# Altium PCB LimeSDR_Mini_1v3_Rounded_old.PcbDoc (part 5 of 6) (continued)
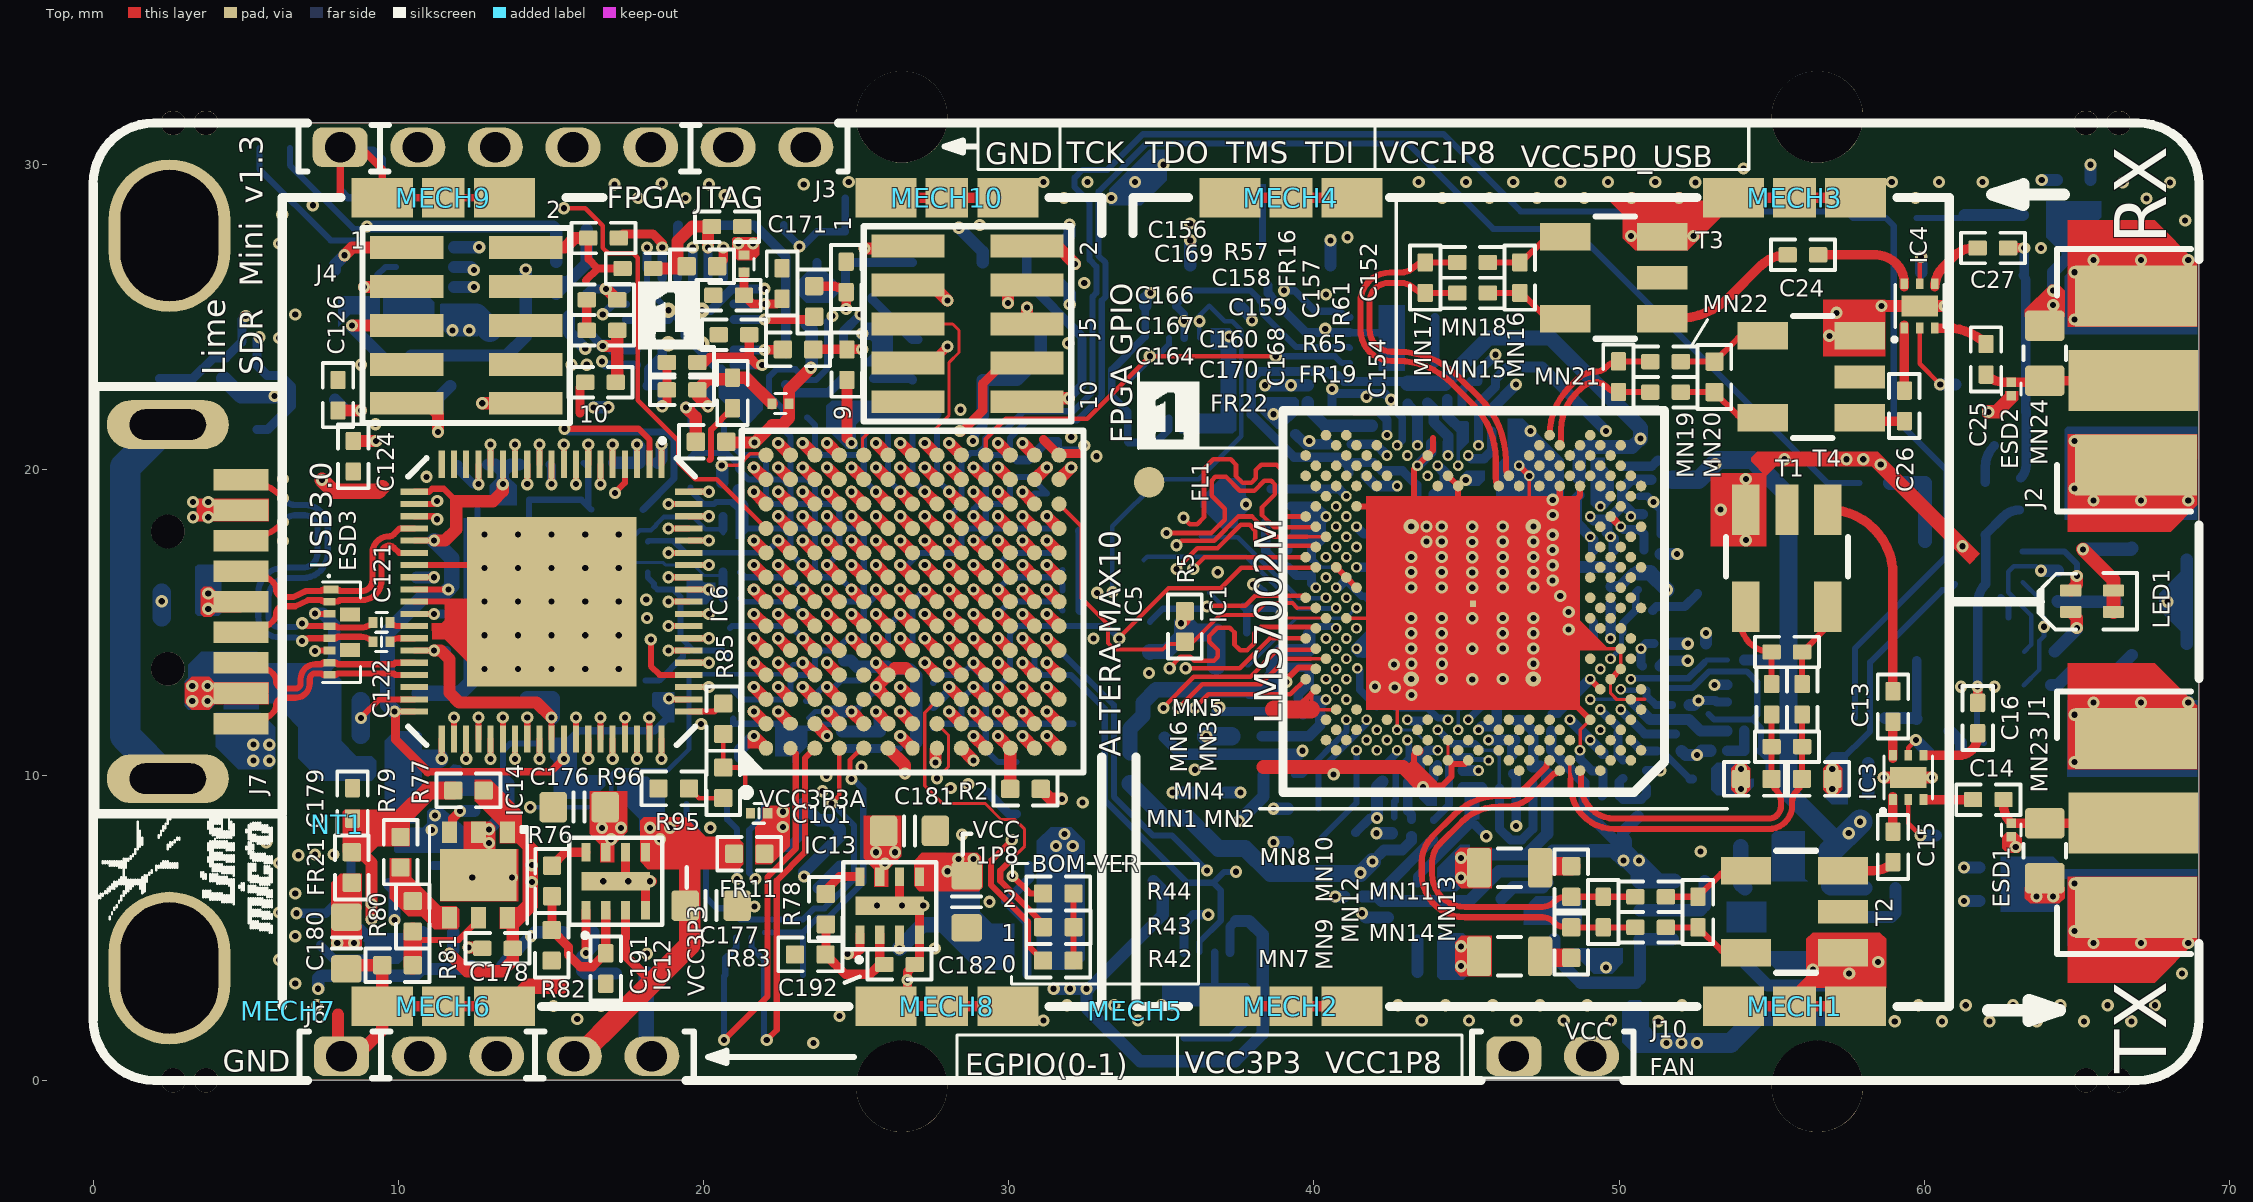
[diagram p0: Top view]
## Nets (pads, with @x,y where several pads share a name; then routed paths per layer and width w, separated by ;. In a path a pad name is that pad's centre, name@x,y a point inside that pad or via, vN(x,y) a via of type N, cw(c..) or ccw(c..) an arc to the next point about the centre after c; other vN are vias at no path point) (continued)
  Top w0.2: IC1.AN9@48.057,20.807 ccw(c47.953,20.911) 48.1,20.911 48.1,21.325 cw(c49.771,21.325) 48.589,22.507 48.778,22.695 cw(c49.224,22.249) 49.224,22.88 cw(c49.224,22.372) 49.583,22.731 49.616,22.699 ccw(c49.975,23.058) 49.975,22.55 MN19.2@51.025,22.55
RX2_W_B_N: MN20.1 MN22.1 T4.6 | length 2.8
  Top w0.2: MN22.1@52.025,23.55 MN20.1@53.075,23.55 ; MN20.1@53.125,23.55 53.883,24.308 cw(c54.515,23.677) T4.6@54.515,24.57
RX2_W_B_P: MN19.1 MN20.2 T4.4 | length 3.2
  Top w0.2: MN19.1@52.025,22.55 52.425,22.55 MN20.2@53.075,22.55 ; MN20.2@53.125,22.55 53.883,21.792 ccw(c54.515,22.423) T4.4@54.515,21.53 ; T4.4@54.12,21.53 T4.4@54.465,21.53
RXPLL_CLK: C154.2 IC1.AM24 R65.1 | length 20.7
  Top w0.309: R65.1@23.6,23.95 C154.2@24.717,23.95 ; C154.2@24.7,23.95 v1(25.2,23.95)
  L5 w0.1: v1(25.2,23.95) 25.799,23.95 cw(c25.799,22.499) 26.825,23.525 ccw(c27.429,24.129) 27.429,23.275 32.499,23.275 cw(c32.499,21.824) 33.525,22.85 ccw(c35.034,24.359) 35.034,22.225 36.348,22.225 cw(c36.348,19.685) 38.144,21.481 38.531,21.094 ccw(c40.327,22.89) 40.327,20.35 41.684,20.35 cw(c41.684,20.009) 41.925,20.25 ccw(c42.249,20.574) 42.232,20.116 ccw(c42.249,20.574) 42.249,20.116 ccw(c42.221,21.324) v3@43.075,20.469
  other v3: 43.062,20.474
TCXO_VC: C161.2 R67.1 R68.1 XO1.1 | length 33.8
  L5 w0.4: v1(8.975,27.975) 9.6,28.6 14.363,28.6 16.178,26.785 21.885,26.785 23.225,28.125 28.175,28.125 v1(28.365,27.935)
  Bottom w0.2: R67.1@6.45,30.55 6.45,29.991 8.541,27.9 8.9,27.9 v1(8.975,27.975)
  Bottom w0.4: v1(8.975,27.975) 15.075,27.975 C161.2@15.175,27.875 R68.1@15.175,26.825 ; v1(28.365,27.935) 29.15,27.15 XO1.1@29.15,26.8
TX: C14.2 ESD1.1 J1.1 MN23.1 | length 4.8
  Top w0.309: C14.2@62.6,9.2 62.6,9.029 ccw(c63.454,9.029) ESD1.1@62.85,8.425 MN23.1@63.95,8.425 66.815,8.425 ccw(c66.815,8.468) J1.1@66.845,8.437
TX1_1: C13.2 T1.3 | length 7.2
  Top w0.309: T1.3@56.845,18.7 cw(c56.845,16.57) 58.975,16.57 C13.2@58.975,12.75
TX1_1_A_N: IC1.A7 MN1.1 MN4.1 MN6.2 | length 11.1
  Top w0.2: IC1.A7@48.723,10.101 48.757,10.067 48.757,9.675 ccw(c49.857,9.675) 49.857,8.575 54.9,8.575 ccw(c54.9,8.979) 55.304,8.979 55.304,9.146 ccw(c54.796,9.146) 55.155,9.505 ; IC1.A7@48.723,10.151 IC1.A7@48.758,10.116 ; MN1.1@55,9.695 55,9.877 MN4.1@55,10.935 MN6.2@55,11.985 ; MN1.1@55.001,9.87 ccw(c55.509,9.87) 55.149,9.51
TX1_1_A_P: IC1.B8 MN2.1 MN3.1 MN4.2 | length 12.3
  Top w0.11: 48.39,9.916 48.39,10.128 IC1.B8@48.39,10.484
  Top w0.2: 48.414,9.881 48.414,9.675 ccw(c49.854,9.675) 49.854,8.235 54.9,8.235 ccw(c54.9,9.006) 55.671,9.006 55.671,9.119 cw(c56.179,9.119) 55.819,9.478 55.852,9.51 ccw(c55.493,9.87) MN2.1@56.001,9.87 ; MN2.1@56,9.885 56,10.285 MN4.2@56,10.935 MN3.1@56,11.985
TX1_1_B_N: MN5.2 MN6.1 T1.6 | length 2.7
  Top w0.2: T1.6@53.98,15.055 ccw(c55,15.055) MN5.2@55,14.035 MN6.1@55,12.985
TX1_1_B_P: MN3.2 MN5.1 T1.4 | length 2.8
  Top w0.2: MN3.2@56,12.985 MN5.1@56,14.035 56.776,14.811 ccw(c56.187,15.4) T1.4@57.02,15.4
TX1_2: C15.2 T2.1 | length 1.9
  Top w0.309: T2.1@57.19,6.87 T2.1@57.34,6.87 58.35,6.87 ccw(c58.35,7.703) 58.939,7.114 C15.2@58.975,7.15
TX2_1_A_N: IC1.B10 MN9.1 MN12.2 MN14.1 | length 14
  Top w0.2: IC1.B10@47.724,10.484 47.689,10.449 ccw(c47.848,10.291) 47.624,10.291 46.891,9.559 cw(c46.303,10.147) 46.303,9.315 46.075,9.315 ccw(c46.075,7.225) 44.597,8.703 43.885,7.99 ccw(c44.729,7.146) 43.535,7.146 43.535,6.76 ccw(c44.95,6.76) 44.95,5.345 47.495,5.345 cw(c47.495,4.837) 47.854,5.196 47.886,5.164 ccw(c48.246,5.523) 48.246,5.015 MN9.1@48.435,5.015 MN12.2@49.485,5.015 MN14.1@50.535,5.015
TX2_1_A_P: IC1.A9 MN10.1 MN11.2 MN12.1 | length 13.2
  Top w0.2: IC1.A9@48.057,10.151 48.022,10.116 cw(c47.864,10.274) 47.864,10.051 47.128,9.315 cw(c46.308,10.136) 46.308,8.975 46.075,8.975 ccw(c46.075,7.225) 44.837,8.462 44.125,7.75 ccw(c44.729,7.146) 43.875,7.146 43.875,6.76 ccw(c44.95,6.76) 44.95,5.685 47.495,5.685 ccw(c47.495,6.193) 47.854,5.834 47.886,5.866 cw(c48.246,5.507) 48.246,6.015 MN10.1@48.435,6.015 48.835,6.015 MN12.1@49.485,6.015 MN11.2@50.535,6.015
TX2_1_B_N: MN13.1 MN14.2 T2.4 | length 3.2
  Top w0.2: MN14.2@51.535,5.015 51.935,5.015 MN13.1@52.585,5.015 53.344,4.257 ccw(c53.975,4.888) T2.4@53.975,3.995 ; T2.4@53.605,3.995 T2.4@53.95,3.995
TX2_1_B_P: MN11.1 MN13.2 T2.6 | length 2.8
  Top w0.2: MN11.1@51.535,6.015 MN13.2@52.585,6.015 53.344,6.773 cw(c53.975,6.142) T2.6@53.975,7.035
TX_LB_AT: C19.1 IC5.K10 R17.2 | length 44.4
  Top w0.4: v2(28.85,18.485) IC5.K10@29.25,18.085
  Bottom w0.2: v2(28.85,18.485) 28.85,18.719 29.25,19.119 29.25,19.451 29.25,20.251 29.484,20.485 29.816,20.485 30.05,20.719 30.05,21.051 30.624,21.625 32.24,21.625 33.05,22.435 33.05,25.551 33.175,25.676 33.175,26.784 32.95,27.009 32.95,29.125 34.525,30.7 43.075,30.7 45.875,27.9 48.5,27.9 C19.1@56.825,19.575 R17.2@57.875,19.575
TX_LB_SH: C20.1 C23.1 IC5.J10 R22.1 R25.2 | length 62
  Top w0.4: v2(28.05,18.485) IC5.J10@28.45,18.085
  Bottom w0.2: v2(28.05,18.485) 28.45,18.885 28.45,20.251 28.749,20.55 28.991,20.55 29.225,20.784 29.225,21.026 29.525,21.326 29.901,21.326 30.5,21.925 32.116,21.925 32.75,22.559 32.75,25.675 32.875,25.8 32.875,26.66 32.65,26.885 32.65,28.775 32.159,29.266 32.159,29.575 32.419,29.835 33.236,29.835 34.401,31 44.25,31 46.775,28.475 57.45,28.475 C20.1@57.675,28.25 R22.1@58.75,28.25 59,28 59,21.725 60.725,20 60.725,17.15 57.725,14.15 R25.2@57.725,11.875
TXPLL_CLK: C152.2 IC1.E5 R61.1 | length 35.2
  Top w0.309: R61.1@23.625,26.025 24.192,26.025 cw(c24.192,25.342) C152.2@24.675,25.825 v1(24.675,25.275)
  L5 w0.1: v1(24.675,25.275) 24.675,23.975 ccw(c25.2,23.975) 25.2,23.45 25.789,23.45 cw(c25.789,22.615) 26.379,23.206 ccw(c27.238,24.064) 26.501,23.099 ccw(c27.238,24.064) 27.238,22.85 32.451,22.85 cw(c32.451,21.826) 33.175,22.55 33.231,22.494 ccw(c35.027,24.29) 35.027,21.75 36.148,21.75 cw(c36.148,19.21) 37.944,21.006 38.406,20.544 ccw(c39.961,22.099) 39.961,19.9 41,19.9 cw(c41,18.55) 42.35,18.55 42.35,16.6 ccw(c43.3,16.6) 43.3,15.65 47.325,15.65 cw(c47.325,15) 47.975,15 47.975,13.725 ccw(c49.974,13.725) 48.56,12.312 v3(49.389,11.483)
USB_D_N: ESD3.2 IC6.25 J7.2 | length 7.6
  Top w0.2: J7.2@4.85,14.685 5.022,14.685 ccw(c5.022,15.923) 5.897,15.047 ccw(c5.65,15.295) 6,15.295 cw(c6.24,15.295) 6.24,15.535 6.625,15.535 7.05,15.735 7.48,15.735 7.53,15.685 ESD3.2@7.742,15.685 ; ESD3.2@7.818,15.685 8.03,15.685 8.08,15.735 8.805,15.735 ccw(c8.805,16.38) 9.45,16.38 9.45,17.275 cw(c9.695,17.275) 9.695,17.52 ; 9.7,17.52 cw(c9.7,17.303) 9.853,17.457 10.025,17.285 IC6.25@10.525,17.285
USB_D_P: ESD3.1 IC6.23 J7.3 | length 8.2
  Top w0.2: J7.3@4.65,16.65 4.685,16.685 J7.3@4.85,16.685 J7.3@5.022,16.685 ; J7.3@5.39,16.685 J7.3@5.022,16.685 ; ESD3.1@7.742,16.085 7.53,16.085 7.48,16.035 6.975,16.035 6.55,15.835 6.24,15.835 cw(c6.24,16.075) 6,16.075 ccw(c5.65,16.075) 5.897,16.323 ccw(c5.022,15.447) J7.3@5.022,16.685 ; ESD3.1@7.818,16.085 8.03,16.085 8.08,16.035 8.805,16.035 ccw(c8.805,16.38) 9.15,16.38 9.15,17.275 cw(c9.7,17.275) 9.7,17.825 ccw(c9.7,18.042) 9.853,17.888 10.05,18.085 IC6.23@10.525,18.085
USB_GND: C125.2 ESD3.6 FR13.1 NT1.1 | length 1.3
  Top w0.2: v1(7.275,14.07) cw(c7.311,14.034) 7.311,14.085 ESD3.6@7.742,14.085
  Bottom w0.6: FR13.1@2.252,15.17 C125.2@2.252,15.975
  other v1: 2.25,15.7
USB_SSRX_N: ESD3.7 IC6.34 J7.8 | length 7.2
  Top w0.2: J7.8@5.39,13.685 J7.8@4.85,13.685 5.022,13.685 cw(c5.022,12.447) 5.897,13.323 cw(c5.65,13.075) 6,13.075 ccw(c6.24,13.075) 6.24,12.835 6.625,12.835 ccw(c6.625,13.01) 6.8,13.01 6.8,13.15 cw(c7.285,13.15) 7.285,13.635 7.48,13.635 7.53,13.685 ESD3.7@7.742,13.685 7.955,13.685 8.005,13.635 9.85,13.635 9.9,13.685 IC6.34@10.525,13.685
USB_SSRX_P: ESD3.8 IC6.35 J7.9 | length 6.7
  Top w0.2: J7.9@4.2,11.685 J7.9@4.372,11.685 ; J7.9@5.022,11.685 ccw(c5.022,12.923) 5.897,12.047 ccw(c5.65,12.295) 6,12.295 cw(c6.24,12.295) 6.24,12.535 6.625,12.535 ccw(c6.625,13.01) 7.1,13.01 7.1,13.15 cw(c7.285,13.15) 7.285,13.335 7.48,13.335 7.53,13.285 ESD3.8@7.742,13.285 7.955,13.285 8.005,13.335 9.85,13.335 9.9,13.285 IC6.35@10.525,13.285
USB_SSTX_N: C121.1 ESD3.4 J7.5 | length 11.5
  Top w0.2: J7.5@4.85,19.685 cw(c4.85,17.838) 6.156,19.144 v1(6.225,19.075) ; v1(6.85,14.975) ccw(c7.067,15.192) 7.067,14.885 ESD3.4@7.742,14.885 7.955,14.885 8.005,14.835 8.772,14.835 ccw(c8.772,15.398) C121.1@9.17,15 C121.1@9.153,15
  Bottom w0.2: v1(6.225,19.075) 6.335,18.965 ccw(c6.6,19.229) 6.6,18.855 6.935,18.855 cw(c6.935,18.1) 7.69,18.1 7.69,17.275 cw(c6.875,17.275) 6.875,16.46 6.385,16.46 ccw(c6.385,15.825) 5.75,15.825 5.75,15.205 ccw(c6.1,15.205) 6.1,14.855 6.56,14.855 ccw(c6.56,15.265) v1(6.85,14.975)
USB_SSTX_P: C122.1 ESD3.5 J7.6 | length 11.5
  Top w0.2: J7.6@4.85,17.685 ccw(c4.85,19.532) 6.156,18.226 v1(6.225,18.295) ; v1(6.85,14.395) cw(c7.067,14.178) 7.067,14.485 ESD3.5@7.742,14.485 7.955,14.485 8.005,14.535 8.772,14.535 cw(c8.772,13.972) C122.1@9.17,14.37 C122.1@9.153,14.37
  Bottom w0.2: v1(6.225,18.295) 6.335,18.405 cw(c6.6,18.141) 6.6,18.515 6.935,18.515 cw(c6.935,18.1) 7.35,18.1 7.35,17.275 cw(c6.875,17.275) 6.875,16.8 6.244,16.8 ccw(c6.244,15.966) 5.41,15.966 5.41,15.205 ccw(c6.1,15.205) 6.1,14.515 6.56,14.515 cw(c6.56,14.105) v1(6.85,14.395)
USB_SSTXI_N: C121.2 IC6.31 | length 0.8
  Top w0.2: C121.2@9.73,15 ccw(c10.008,15.278) 10.008,14.885 IC6.31@10.525,14.885
USB_SSTXI_P: C122.2 IC6.32 | length 0.8
  Top w0.2: C122.2@9.73,14.37 cw(c10.008,14.092) 10.008,14.485 IC6.32@10.525,14.485
USB_VBUS: C123.1 ESD3.3 FR12.1 J7.1 R50.2 | length 3.3
  Top w0.2: v1(7.275,15.3) ccw(c7.311,15.336) 7.311,15.285 ESD3.3@7.742,15.285
  Bottom w0.4: 7.238,13.137 7.9,13.8 7.9,14.925 7.525,15.3 v1(7.275,15.3)
  other v1: 3.25,12.425 3.75,12.425 3.25,12.925 3.75,12.925
VCC1P4_LMS: C188.2 FR30.2 FR31.2 FR32.2 FR33.2 IC16.4 R88.2 R93.1 | length 59.3
  L4 w0.4: v1(49.575,21.275) 49.575,21.725 50.125,22.275 51.475,22.275 53.15,20.6 v1(53.15,20.2)
  L4 w0.8: 41.825,6.875 42.975,5.725 55.15,5.725 v1(57.9,8.475)
  Bottom w0.35: v1(41.925,7.175) 42.3,7.55 42.9,7.55 43.2,7.85 FR33.2@43.2,7.995 ; FR31.2@46.905,23.375 47.475,23.375 v1(49.575,21.275) ; FR30.2@54.105,13.775 55.5,13.775
  Bottom w0.5: IC16.4@56.925,6.3 56.931,6.305 R88.2@58.061,6.305
  Bottom w0.55: R93.1@33.975,9.725 35.1,8.6 35.875,8.6 36.875,7.6 37.75,7.6 38.575,6.775 41.525,6.775 v1(41.925,7.175)
  Bottom w0.6: FR32.2@51.75,19.675 52.6,19.675 53.25,20.325 54.379,20.325 55.55,19.154 55.55,9.417 C188.2@57.186,7.781 ; IC16.4@56.925,6.375 C188.2@56.925,7.5
  Bottom w0.8: C188.2@56.925,7.5 v1(57.9,8.475)
  other v1: 41.525,6.8 57.525,8.1
VCC1P8: C108.2 C109.1 C110.1 C111.1 C174.1 C182.2 FR16.1 FR20.1 IC5.F2 IC5.G3 IC11.8 IC11A.8 IC13.3 IC13.5 J3.6 J4.4 J6.5 R34.2 R36.2 R37.1 R58.2 R84.2 | length 119.4
  Top w0.3: v1(26.425,4.325) IC13.3@26.425,4.775
  Top w0.4: v1(25.65,12.085) IC5.F2@26.05,11.685 ; v1(26.45,12.885) IC5.G3@26.85,12.485
  L4 w0.4: J6.5@18.311,0.675 24.2,0.675 25.925,2.4 25.925,3.825 v1(26.425,4.325)
  L5 w0.25: v1@25.84,12.085 26.45,12.695 v1(26.45,12.885)
  L5 w0.4: v1(21.15,27.425) v1(21.625,27.425) 23.05,28.85 29.275,28.85 30.675,27.45 32.875,27.45 33.725,26.6 36.275,26.6 v1(37.975,24.9) ; v1@25.775,11.96 v1(25.65,12.085) v1@25.84,12.085
  L5 w0.5: v1(14.175,26.565) 13.06,25.45 11.3,25.45 9.85,24 8.116,24 7.425,23.309 7.425,22.725 5.95,21.25 5.95,20.271 5.275,19.596 5.275,13.841 10.5,8.616 10.5,7.98 11.28,7.2 13.45,7.2 15.15,8.9 20.925,8.9 v1@23.11,6.715
  L5 w0.6: v1@25.675,12.05 25.775,11.95 25.775,8.938 25.881,8.831 25.988,8.725
  L5 w1: 23.213,6.937 24.9,8.625 25.781,8.625
  L5 w1.2: 25.575,8.725 25.988,8.725 26.4,8.725 28.025,7.1 28.6,7.1
  L6 w0.5: v1(14.175,26.565) 14.665,26.565 16.46,28.36 20.94,28.36 ; J3.6@20.811,30.575 21.25,30.136 21.25,28.67 20.94,28.36 ; 21.4,27.5 21.3,27.6 21.3,28 21,28.3 20.94,28.36
  Bottom w0.17: 22.995,11.43 23.1,11.535 23.702,11.535 23.837,11.67 24.285,11.67 C110.1@24.525,11.43
  Bottom w0.2: R37.1@20.975,11.85 R37.1@20.975,11.775 20.975,11.685 22.74,11.685 22.995,11.43 C108.2@22.995,10.45
  Bottom w0.3: IC11.8@22.075,7.625 22.775,7.625 23.15,8 23.15,8.945 IC11A.8@23.255,9.05
  Bottom w0.4: R34.2@10.425,23.75 13.55,23.75 14.175,24.375 v1(14.175,26.565) ; IC11A.8@23.255,9.05 23.78,8.525 24.175,8.525 24.475,8.225 C174.1@24.475,8 23.3,6.825 v1(23.3,6.675) ; C110.1@24.544,11.43 C109.1@25.2,11.43 25.775,11.43 25.775,11.96 v1(25.65,12.085) ; R58.2@37.575,25.375 v1@37.9,25.05
  Bottom w0.5: R84.2@18.125,3.5 18.125,0.981 J6.5@18.311,0.795 ; v1(26.425,4.325) 27.2,5.1 28.125,5.1
  other v1: 28,6.85 28.35,7.25 28.85,7.25
VCC1P8_LMS: C3.1 C4.2 C5.1 C6.2 C7.1 C8.1 C9.2 C10.2 C175.2 FR1.2 FR2.1 FR3.1 FR4.2 FR5.2 FR6.2 FR7.2 FR8.2 FR20.2 FR34.1 FR35.1 MN1.2 MN2.2 MN7.2 MN8.2 R19.2 R26.2 R32.2 R33.1 | length 26.4
  Bottom w0.2: C6.2@57.165,10.4 57.185,10.4 58.225,11.44 58.225,13.7 60.588,16.063 60.812,16.063 R19.2@61.012,16.262
  Bottom w0.35: FR4.2@45.826,21.876 45.826,22.001 v1(46.625,22.8) ; FR6.2@46.58,11.8 46.825,11.8 47.185,11.44 FR7.2@47.185,11.175 FR8.2@47.185,10.28
  Bottom w0.4: v1(38.4,22.776) v1(39.251,22.776) R33.1@39.801,22.776 ; v1(42.056,8.096) R26.2@42.556,8.096 ; C9.2@45.142,7.4 46.973,7.4 47.65,8.077 47.65,10.05 47.42,10.28 47.185,10.28 FR8.2@47.175,10.28 ; FR3.1@51.355,17.25 FR3.1@51.38,17.25 v1(51.905,17.25) ; FR2.1@51.729,14.309 v1(52.254,14.309) ; FR1.2@52.05,10.795 52.188,10.657 v1(52.555,10.657) 52.698,10.8 R32.2@52.995,10.8 ; C4.2@53.325,9.875 53.875,9.875
  Bottom w0.65: v1@51.575,1.225 v1(52.05,1.225) v1(52.55,1.225) 53.65,1.225 54.53,2.105 FR35.1@56.936,2.105
  other v1: 51.55,1.225 44.817,3.742 44.817,4.392 44.817,6.642 44.817,7.292 31.55,7.675 32.1,7.675 31.825,8.075 54,9.55 56.985,9.55 54,10.2 56.985,10.2
VCC1P25_LMS: C185.2 FR23.2 FR24.2 FR25.2 FR26.2 FR27.2 FR28.2 FR29.2 FR36.2 FR37.2 FR38.2 FR39.2 FR40.2 FR41.2 FR42.2 FR43.2 FR44.2 FR45.2 IC15.4 R86.2 R90.1 | length 94.9
  L4 w0.4: 51.575,12.075 52.225,12.075 v1(52.6,12.45)
  L4 w0.65: v1(50.7,21.025) 51.75,19.975 51.75,18.4 51.025,17.675 51.025,16.625 v1(51.575,16.075) 51.575,12.075
  L4 w0.7: 50.425,7.3 50.425,10.925 51.575,12.075
  L6 w0.2: 42.01,12.215 43.585,12.215
  L6 w0.22: v5(41.425,13.5) 41.59,13.335 41.59,12.635 42.01,12.215
  L6 w0.4: 43.585,12.215 43.895,12.525 45.7,12.525 47.35,10.875 47.35,9.325
  L6 w0.6: v1(39.625,10.8) 39.625,10.204 40.579,9.25 42.8,9.25 43.05,9 45.525,9 45.85,9.325 47.35,9.325
  L6 w0.9: 47.35,9.325 49.4,7.275 50.45,7.275
  Bottom w0.2: FR40.2@42.954,22.851 FR40.2@43.075,22.73
  Bottom w0.25: v5(41.425,13.5) 41.5,13.425 41.5,12.799 FR42.2@42.059,12.239
  Bottom w0.3: FR41.2@41.145,19.9 41.145,20.105 ; FR40.2@42.954,22.851 42.904,22.901 40.985,22.901 40.786,23.1 40.575,23.1 40.449,23.226 38.214,23.226 37.95,22.963 37.95,21.821 39.355,20.416 40.834,20.416 41.145,20.105 ; FR23.2@43.37,19.2 43.37,19.505 42.9,19.975 42.225,19.975 41.95,20.25 41.29,20.25 41.145,20.105 ; v1(52.6,12.45) 53.15,12.45 53.2,12.4 FR45.2@53.55,12.4
  Bottom w0.35: 42.15,6.15 FR29.2@43.9,7.9 ; FR24.2@47.775,11.445 47.775,10.825 48.85,9.75 48.85,8.875 49.9,7.825 C185.2@50.125,7.825 ; FR37.2@49.725,16.18 50.021,16.18 50.471,16.63 FR43.2@50.625,16.63
  Bottom w0.38: R90.1@35.107,11.243 35.662,10.688 39.513,10.688 v1(39.625,10.8)
  Bottom w0.4: FR44.2@41.605,6.025 42.075,6.025 42.225,5.875 45.095,5.875 46.07,6.85 47.15,6.85 47.825,7.525 49.1,7.525 ; C185.2@50.125,7.825 50.125,8.145 FR27.2@50.625,8.645 ; FR36.2@52.305,12.3 52.45,12.3 v1(52.6,12.45)
  Bottom w0.45: FR25.2@48.7,19.73 48.7,20.55 48.9,20.75 50.425,20.75 v1(50.7,21.025) ; 49.1,7.525 50.125,7.525
  Bottom w0.5: FR40.2@43.075,22.845 44.295,22.845 44.875,23.425 44.875,23.478 45.722,24.325 47.75,24.325 50.7,21.375 v1(50.7,21.025) ; FR43.2@50.625,16.63 51.02,16.63 v1(51.575,16.075) ; IC15.4@50.675,6.525 50.681,6.53 R86.2@51.811,6.53
  Bottom w0.6: C185.2@50.125,7.825 50.125,7.525 50.675,6.975 IC15.4@50.675,6.6
  other v1: 50.15,7.2 50.65,7.2
VCC3P3: C102.2 C103.1 C104.1 C105.1 C106.1 C107.1 C112.2 C113.1 C114.1 C115.1 C116.1 C117.1 C118.1 C119.1 C120.1 C150.1 C162.1 C177.2 C178.2 FR11.1 FR22.1 IC5.C6 IC5.C7 IC5.C8 IC5.F7 IC5.F11 IC5.G6 IC5.G8 IC5.G11 IC5.H7 IC5.H11 IC5.J11 IC8.8 IC10.8 IC12.3 IC12.5 IC14.1 IC14.6 J6.4 LED1.1 LED1.2 LED2.A R14.1 R20.1 R35.1 R40.1 R45.1 R46.1 R47.1 R48.1 R49.1 R64.1 R66.1 R71.1 R77.1 R97.1 | length 148.5
  Top w0.3: IC12.3@17.45,5.575 17.45,4.075 18.32,3.205
  Top w0.4: v1(11.675,4.15) 12.25,3.575 13.4,3.575 13.75,3.925 C178.2@13.75,4.325 13.75,5.475 13.975,5.475 14.375,5.875 v1(14.375,6.5) v1(14.375,7.05) 14.375,7.584 ; v1(19.425,22.05) 19.75,21.725 FR22.1@19.75,20.925 ; v1(23.25,15.285) IC5.C6@23.65,14.885 ; v1(23.25,16.085) IC5.C7@23.65,15.685 ; v1(23.25,16.885) IC5.C8@23.65,16.485 ; v1(25.65,16.085) IC5.F7@26.05,15.685 ; v1(25.65,19.285) IC5.F11@26.05,18.885 ; v1(26.45,15.285) IC5.G6@26.85,14.885 ; v1(26.45,16.885) IC5.G8@26.85,16.485 ; v1(26.45,19.285) IC5.G11@26.85,18.885 ; v1(27.25,16.085) IC5.H7@27.65,15.685 ; v1(27.25,19.285) IC5.H11@27.65,18.885 ; v1(28.05,19.285) IC5.J11@28.45,18.885
  Top w0.45: v1(65.2,17.4) 66.2,16.4 LED1.1@66.2,15.35
  Top w0.5: v1(7.5,19.675) 7.875,19.3 9.35,19.3 9.475,19.425
  Top w0.7: J6.4@15.768,0.795 15.919,0.795 17.29,2.166 17.29,2.175 18.32,3.205 19.55,4.435 19.55,7.45
  L4 w0.45: v1(34.65,25.8) 34.725,25.875 v1(39.025,25.875) 39.025,27.15 40.15,28.275 52.9,28.275 53.35,27.825 61.4,27.825 61.975,27.25 ; v1(61.3,6.975) 61.3,10.25 65.525,14.475 65.525,17.075 v1(65.2,17.4) 65.2,17.425 61.475,21.15 61.475,25.525 61.975,26.025 61.975,27.25 ; v1(63.85,29.5) 63.85,29.125 61.975,27.25
  L4 w0.5: v1(5.95,22.425) 7.5,20.875 v1(7.5,19.675)
  Bottom w0.19: R45.1@18.175,16.475 18.38,16.27 18.38,16.191 18.491,16.08 19.014,16.08 19.245,15.849 19.245,14.51 R48.1@19.525,14.23 ; R45.1@18.175,16.525 R45.1@18.175,16.65 ; C116.1@21.205,15.8 21.325,15.68 22.855,15.68 v1(23.25,15.285)
  Bottom w0.2: 18.1,13.1 18.545,13.1 19.325,13.88 19.325,14.03 R48.1@19.525,14.23 19.67,14.085 20.615,14.085 R49.1@20.875,13.825 R49.1@20.875,13.819 ; R47.1@19.575,19.425 19.575,19.319 20.009,18.885 20.347,18.885 20.412,18.95 20.878,18.95 20.88,18.948 21.15,18.948 ; C120.1@21.205,16.65 21.37,16.485 22.85,16.485 v1(23.25,16.085) ; 21.28,18.15 21.345,18.085 22.616,18.085 22.85,17.851 22.85,17.285 v1(23.25,16.885) ; C102.2@23.4,21.725 23.65,21.475 23.65,20.719 23.884,20.485 25.231,20.485 25.25,20.466 ; C113.1@25.25,14.08 25.25,15.475 25.65,15.875 v1(25.65,16.085) ; C117.1@25.27,21.266 25.25,21.246 25.25,20.466 ; v1(25.65,19.285) 25.25,19.685 25.25,20.466 ; C115.1@26.025,14.08 26.05,14.105 26.05,14.885 v1(26.45,15.285) ; C118.1@26.04,21.266 26.05,21.256 26.05,19.685 v1(26.45,19.285) ; v1(26.45,16.885) 26.684,16.885 27.084,17.285 28.216,17.285 28.45,17.519 28.45,17.851 28.684,18.085 29.016,18.085 29.25,18.319 29.25,18.651 29.484,18.885 29.816,18.885 30.05,19.119 30.05,19.545 C103.1@30.275,19.77 30.715,19.77 C112.2@31.25,19.235 30.85,19.235 C112.2@30.85,18.885 ; C119.1@26.75,14.055 26.85,14.155 26.85,15.685 v1(27.25,16.085) ; C114.1@26.86,21.266 26.85,21.256 26.85,19.685 v1(27.25,19.285) ; C107.1@27.65,21.27 27.65,19.685 v1(28.05,19.285)
  Bottom w0.25: R66.1@34.475,25.375 34.475,24.375 33.375,23.275 33.375,22.425 R64.1@33.9,21.9 33.9,20.925 C150.1@33.925,20.9 34.825,20.9 35.25,21.325 IC8.8@35.25,21.525 IC8.8@35.25,21.7 ; v1(39.025,25.875) 39.375,25.875 C162.1@40.05,25.2 40.829,25.2 40.975,25.054 40.975,25.025 41,25 IC10.8@41.175,25
  Bottom w0.4: v1(11.675,4.15) 11.8,4.275 R71.1@11.8,4.85 ; v1(19.425,22.05) 19.675,21.8 R46.1@19.675,21.475 ; C106.1@21.15,19.335 21.15,18.948 21.28,18.818 21.28,18.15 ; R40.1@31.6,26.175 32,25.775 v1(32,25.425) ; R66.1@34.475,25.375 34.475,25.625 v1(34.65,25.8) ; v1(61.3,6.975) R14.1@61.8,6.975 ; v1(63.85,29.5) R20.1@64.35,29.5
  Bottom w0.45: v1(65.2,17.4) 66.765,17.4 LED2.A@66.8,17.435
  Bottom w0.5: R35.1@4.275,23 4.85,22.425 v1(5.95,22.425)
  other v1: 18.575,7.9 18.25,8.275 18.9,8.275 10.925,19.775
VCC3P3_CLK: C184.2 FR17.1 FR19.1 FR22.2 R60.2 | length 21.5
  Top w0.4: FR22.2@20.75,20.925 20.77,20.905 v1(21.67,20.905) 21.692,20.905 22.255,21.468 22.574,21.468 22.805,21.699 FR19.1@22.805,22.175 22.805,22.63 v1(23.525,23.35)
  L4 w0.5: v1(16.4,22.05) 17.575,22.05 18.41,22.885 23.06,22.885 v1(23.525,23.35)
  L5 w0.6: v1(11.775,24.575) v1(12.325,24.575) 13.225,24.575 15.75,22.05 v1(16.4,22.05) v1@16.775,22.05
  Bottom w0.4: v1@16.4,22.055 v1(16.88,22.055) ; R60.2@23.375,24.775 23.55,24.6 23.55,23.375 v1(23.525,23.35)
  Bottom w0.8: 11.775,25.05 12.55,25.05 C184.2@13,24.6
VCC3P3_FT: C128.2 C129.2 C130.1 C131.2 C132.1 C133.2 C134.1 C135.2 C136.1 IC6.14 IC6.20 IC6.24 IC6.28 IC6.38 IC6.49 IC6.59 IC6.68 R53.2 R54.2 R55.2 R97.2 | length 31.3
  Top w0.2: v1(9.875,12.085) IC6.38@10.525,12.085 ; IC6.28@10.525,16.085 v1(11.64,16.085) ; IC6.24@10.525,17.685 v1(11.175,17.685) ; IC6.20@10.525,19.285 11.009,19.285 11.109,19.385 11.49,19.385 11.9,18.975 ; v1(13.425,19.535) IC6.14@13.425,20.185 ; v1(15.425,10.535) IC6.49@15.425,11.185 ; v1@18.875,12.485 IC6.59@19.525,12.485 ; IC6.68@19.525,16.085 v1(20.175,16.085)
  Top w0.25: v1(9.875,12.085) v1@9.904,12.056 ; 10.965,10.11 15,10.11 v1(15.425,10.535)
  Top w0.3: v1@9.904,12.056 9.904,11.171 10.965,10.11
  Top w0.4: v1(11.175,17.685) 11.535,17.685 11.9,18.05 11.9,18.975 13.1,18.975 13.425,19.3 v1(13.425,19.535)
  Bottom w0.25: 15.45,11 15.91,11.46 16.675,11.46 18.401,11.46 18.875,11.934 v1(18.875,12.51)
  Bottom w0.4: R54.2@12.95,20.175 13.175,20.175 13.425,19.925 ; v1(13.425,19.535) 13.425,19.925 ; R53.2@13.975,20.175 13.675,20.175 13.425,19.925
  Bottom w0.5: v1(9.875,12.085) 9.65,12.31 9.65,14.675 10.81,15.835 11.39,15.835 v1(11.64,16.085) 11.75,16.195 11.75,17.11 v1(11.175,17.685)
  Bottom w0.6: C128.2@15.425,9.725 v1(15.425,10.535)
VCC3P3A: C95.2 C96.1 C97.1 C98.1 C99.1 C100.1 C101.1 FR11.2 IC5.D3 IC5.D4 IC5.D10 IC5.K4 IC5.K9 | length 36.4
  Top w0.4: v1(24.05,12.885) IC5.D3@24.45,12.485 ; v1(24.05,13.685) IC5.D4@24.45,13.285 ; v1(24.05,18.485) IC5.D10@24.45,18.085 ; v1(28.85,13.685) IC5.K4@29.25,13.285 ; v1(28.85,17.685) IC5.K9@29.25,17.285
  L2 w0.2: v1@23.938,12.763 24.962,12.763 25.484,13.285 28.45,13.285 v1(28.85,13.685) 29.25,14.085 29.25,17.285 v1(28.85,17.685) ; v1(24.05,13.685) 24.45,14.085 24.45,18.085 v1(24.05,18.485)
  L2 w0.4: v1@23.938,12.763 v1@24.05,12.875 ; v1(24.05,12.885) v1(24.05,13.685)
  L2 w0.45: 23.375,12.21 v1(24.05,12.885)
  L2 w0.6: v1(22.6,8.3) v1(22.6,8.8) 22.6,10.725 23.375,11.5 23.375,12.21
  Bottom w0.2: C99.1@23.361,12.43 C99.1@23.45,12.43 23.905,12.885 v1(24.05,12.885) 24.29,12.885 C98.1@24.525,13.12 ; v1(24.05,13.685) 24.525,13.21 C98.1@24.525,13.12 ; C98.1@24.6,13.195 C98.1@24.525,13.12 ; C97.1@25.15,13.105 24.525,13.105 C98.1@24.525,13.12 ; C96.1@27.53,13.025 27.79,13.285 28.45,13.285 v1(28.85,13.685) 28.85,13.495 29.25,13.095 29.25,11.919 29.484,11.685 32.115,11.685 C95.2@32.125,11.675 ; v1(28.85,17.685) 29.085,17.685 29.25,17.85 ; 29.25,17.851 29.484,18.085 31.77,18.085 C100.1@31.77,18
VCC5P0_USB: C176.2 C181.2 FR12.2 IC12.7 IC13.1 IC13.7 J3.7 R15.1 R21.1 R41.1 R69.1 R94.1 | length 146.1
  Top w0.3: v1(24.725,4.15) 25,4.15 25.125,4.275 IC13.1@25.125,4.775
  L3 w0.6: 5.375,10.7 5.375,11 5.375,21.875 4.275,22.975 4.275,25.4 5.35,26.475 5.35,28.45 6.175,29.275 15.825,29.275 16.825,28.275 21.154,28.275 J3.7@23.354,30.475
  L4 w0.6: J3.7@23.354,30.575 24.469,30.575 25.694,29.35 30.275,29.35 31.584,28.041 v1(31.994,28.041) 33.891,28.041 34.625,28.775 36.25,28.775 36.8,29.325 42.476,29.325 43.187,30.035 52.89,30.035 53.95,28.975 57.625,28.975 59.025,30.375 65.075,30.375 v1(65.45,30) 65.45,28 64.125,26.675 63.825,26.675 63.238,26.088 63.238,25.788 62.8,25.35 62.8,21.85 64.425,20.225 65.35,20.225 66.4,19.175 66.4,12.25 65.35,11.2 64.2,11.2 62.35,9.35 62.35,6.6 61.628,5.878 v1(61.3,5.878)
  L4 w1.7: 5.8,10.75 6.175,10.75 11.425,5.5 13.125,5.5 13.3,5.325 20.25,5.325 21.2,4.375 24.075,4.375 24.4,4.7 24.4,6.15 25.05,6.8 ; 15.55,5.375 15.55,7.125 16.125,7.7 16.675,7.7
  Bottom w0.4: R69.1@13.4,3.75 13.5,3.85 13.5,3.875 14.475,4.85 R94.1@15.4,4.85 ; R41.1@31.594,27.291 31.994,27.691 v1(31.994,28.041) ; v1(61.3,5.878) R15.1@61.8,5.878 ; R21.1@65.45,29.5 v1(65.45,30)
  other v1: 14.35,4.725 25.95,7.1 25.65,7.475 26.275,7.475 16.975,7.9 16.675,8.275 17.3,8.275 5.25,10.475 5.775,10.475 5.25,11 5.775,11